# KiCad board reform2-keyboard.kicad_pcb
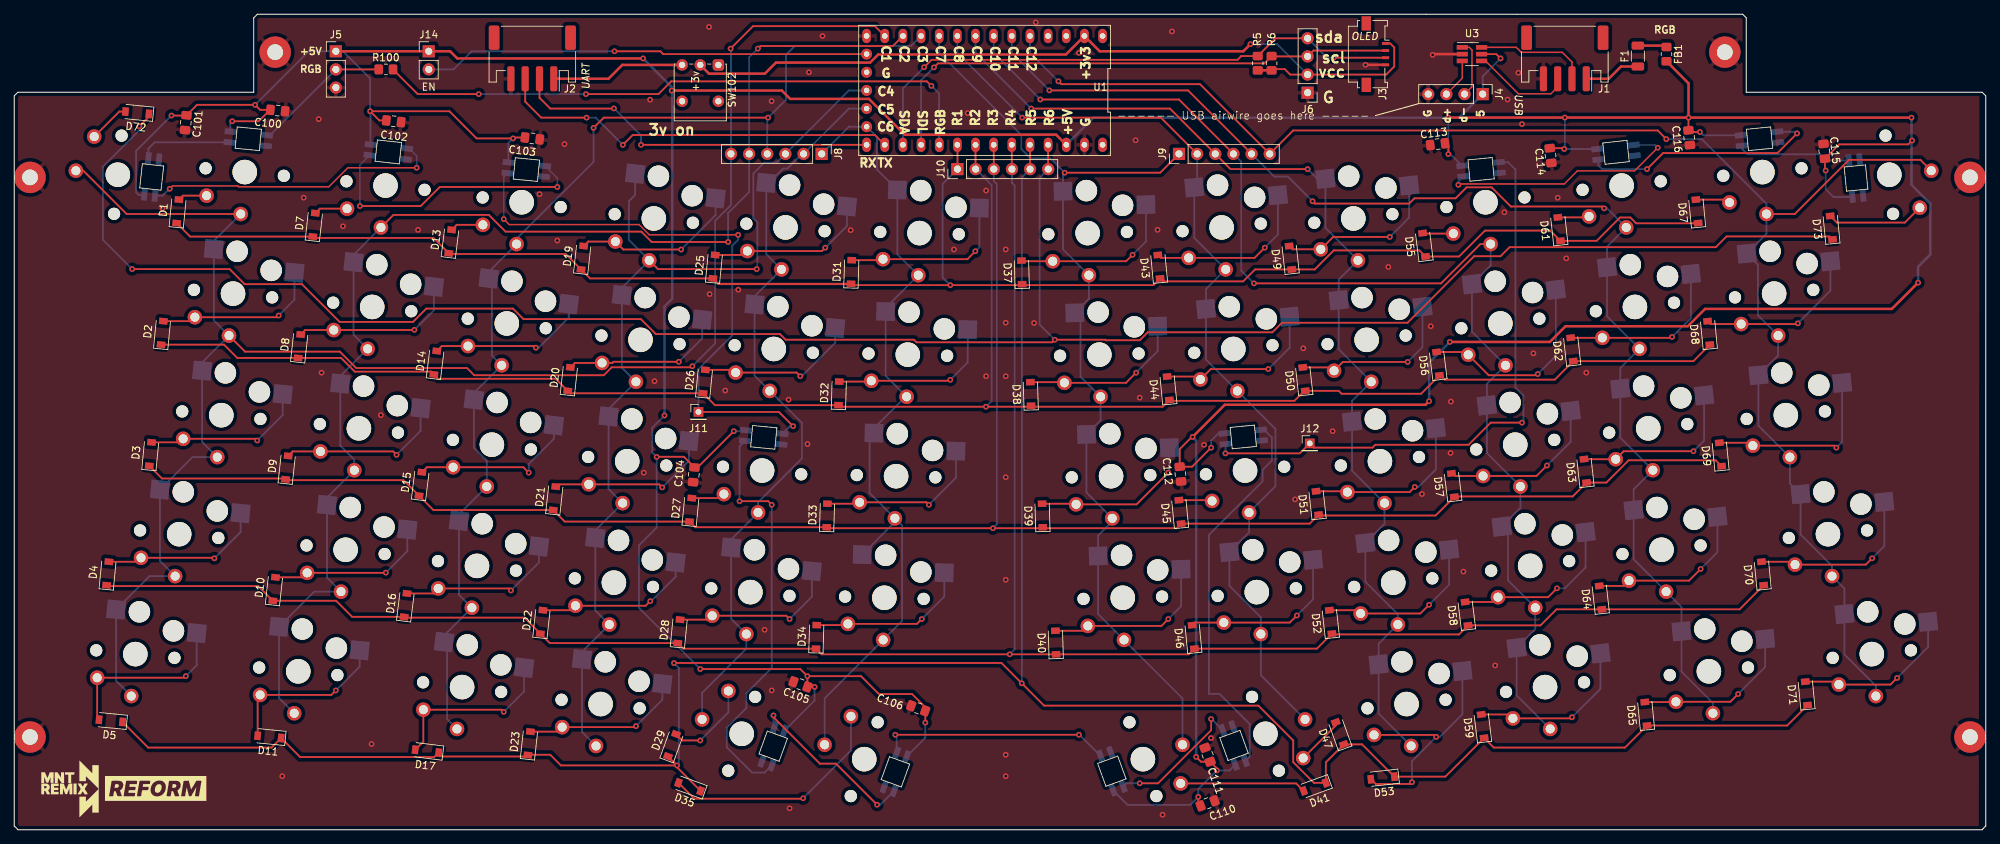
[diagram p0: board, top side]
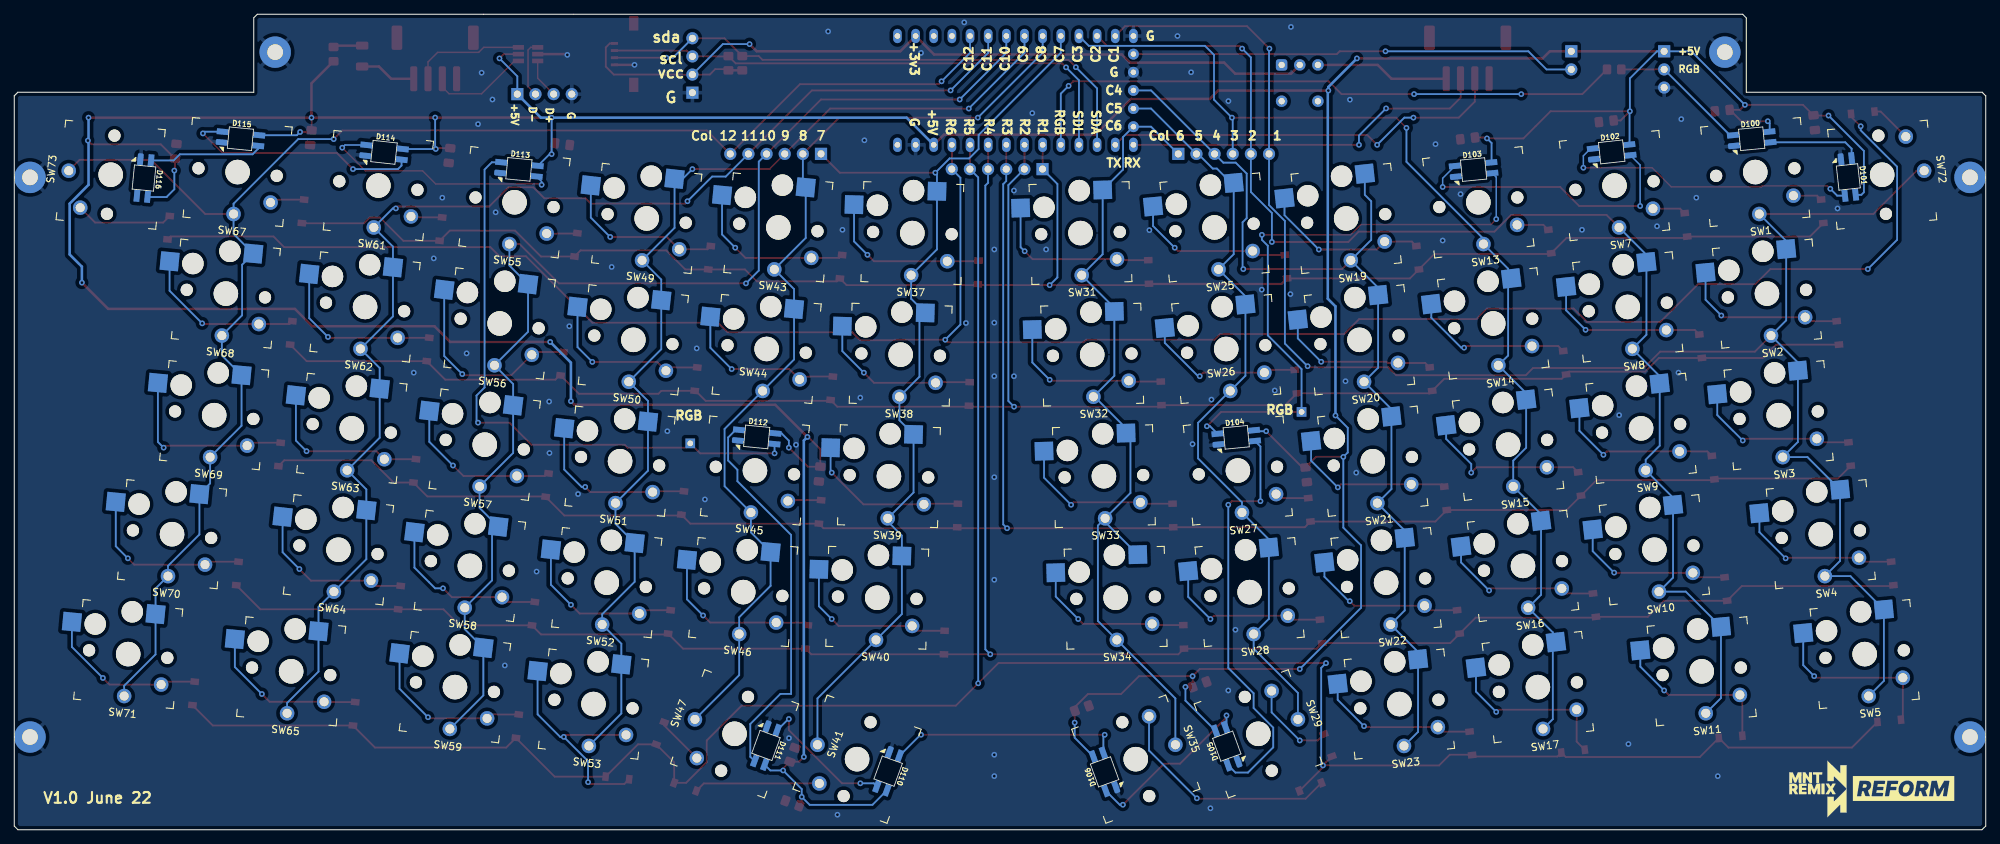
[diagram p1: board, bottom side, seen from below]

Outline 275.9 x 114.18 mm; copper layers: Top, Bottom. Coordinates in mm from the lower left corner of the outline.
Outline path: 0,102.76 0.5,103.26 33.5,103.26 33.5,113.66 34.01,114.18 241.89,114.18 242.39,113.68 242.39,103.26 275.4,103.26 275.9,102.76 275.9,0.52 275.39,0 0.52,0 0,0.51 0,102.76
Stack: Top 0.035mm / dielectric 1.51mm FR4 er 4.5 / Bottom 0.035mm

## Placement (name value [footprint] x y rotation side)
C100  1uF  [C_0805_2012Metric_Pad1.18x1.45mm_HandSolder]  36.87 100.7 354.5 top
C101  1uF  [C_0805_2012Metric_Pad1.18x1.45mm_HandSolder]  24 99 264.5 top
C102  1uF  [C_0805_2012Metric_Pad1.18x1.45mm_HandSolder]  53.1 99.2 353.8 top
C103  1uF  [C_0805_2012Metric_Pad1.18x1.45mm_HandSolder]  72.5 96.8 353 top
C104  1uF  [C_0805_2012Metric_Pad1.18x1.45mm_HandSolder]  95.1 49.7 264.5 top
C105  1uF  [C_0805_2012Metric_Pad1.18x1.45mm_HandSolder]  110.03 20.35 160 top
C106  1uF  [C_0805_2012Metric_Pad1.18x1.45mm_HandSolder]  126.5 17 160 top
C110  1uF  [C_0805_2012Metric_Pad1.18x1.45mm_HandSolder]  167 3.7 20 top
C111  1uF  [C_0805_2012Metric_Pad1.18x1.45mm_HandSolder]  167 10.5 110 top
C112  1uF  [C_0805_2012Metric_Pad1.18x1.45mm_HandSolder]  163.2 49.8 275.5 top
C113  1uF  [C_0805_2012Metric_Pad1.18x1.45mm_HandSolder]  199.2 96 187 top
C114  1uF  [C_0805_2012Metric_Pad1.18x1.45mm_HandSolder]  215 94.4 276.2 top
C115  1uF  [C_0805_2012Metric_Pad1.18x1.45mm_HandSolder]  253.3 95 95.5 top
C116  1uF  [C_0805_2012Metric_Pad1.18x1.45mm_HandSolder]  234.4 96.9 275.5 top
D1  MMDL914T1G  [D_SOD-123]  22.88 86.59 84.5 top
D2  MMDL914T1G  [D_SOD-123]  20.7 69.57 84.5 top
D3  MMDL914T1G  [D_SOD-123]  19.05 52.6 84.5 top
D4  MMDL914T1G  [D_SOD-123]  13.08 35.88 84.5 top
D5  MMDL914T1G  [D_SOD-123]  13.5 15.25 174.5 top
D7  MMDL914T1G  [D_SOD-123]  41.95 84.7 83.8 top
D8  MMDL914T1G  [D_SOD-123]  39.9 67.7 83.8 top
D9  MMDL914T1G  [D_SOD-123]  38.15 50.7 83.8 top
D10  MMDL914T1G  [D_SOD-123]  36.37 33.7 83.8 top
D11  MMDL914T1G  [D_SOD-123]  35.7 13 174.5 top
D13  MMDL914T1G  [D_SOD-123]  61.01 82.36 83 top
D14  MMDL914T1G  [D_SOD-123]  58.92 65.39 83 top
D15  MMDL914T1G  [D_SOD-123]  56.84 48.42 83 top
D16  MMDL914T1G  [D_SOD-123]  54.76 31.44 83 top
D17  MMDL914T1G  [D_SOD-123]  57.75 11 173 top
D19  MMDL914T1G  [D_SOD-123]  79.5 80.09 83.8 top
D20  MMDL914T1G  [D_SOD-123]  77.64 63.09 83.8 top
D21  MMDL914T1G  [D_SOD-123]  75.6 46.4 83.8 top
D22  MMDL914T1G  [D_SOD-123]  73.8 29.1 83.8 top
D23  MMDL914T1G  [D_SOD-123]  72.05 12.1 83.8 top
D25  MMDL914T1G  [D_SOD-123]  97.93 78.84 84.5 top
D26  MMDL914T1G  [D_SOD-123]  96.55 62.75 84.5 top
D27  MMDL914T1G  [D_SOD-123]  94.65 44.79 84.5 top
D28  MMDL914T1G  [D_SOD-123]  93.01 27.77 84.5 top
D29  MMDL914T1G  [D_SOD-123]  92.05 11.82 70 top
D31  MMDL914T1G  [D_SOD-123]  117.15 78.1 88.3 top
D32  MMDL914T1G  [D_SOD-123]  115.4 61.1 88.3 top
D33  MMDL914T1G  [D_SOD-123]  113.75 44 88.3 top
D34  MMDL914T1G  [D_SOD-123]  112.25 27 88.3 top
D35  MMDL914T1G  [D_SOD-123]  94.5 6 160 top
D37  MMDL914T1G  [D_SOD-123]  141 78.04 91.7 top
D38  MMDL914T1G  [D_SOD-123]  142.25 61.02 91.7 top
D39  MMDL914T1G  [D_SOD-123]  143.89 44 91.7 top
D40  MMDL914T1G  [D_SOD-123]  145.75 26.21 91.7 top
D41  MMDL914T1G  [D_SOD-123]  182 6 200 top
D43  MMDL914T1G  [D_SOD-123]  160.2 78.84 95.5 top
D44  MMDL914T1G  [D_SOD-123]  161.5 61.81 95.5 top
D45  MMDL914T1G  [D_SOD-123]  163.14 44.5 95.5 top
D46  MMDL914T1G  [D_SOD-123]  165 27 95.5 top
D47  MMDL914T1G  [D_SOD-123]  185.5 13.5 110 top
D49  MMDL914T1G  [D_SOD-123]  178.6 80.09 96.2 top
D50  MMDL914T1G  [D_SOD-123]  180.5 63.09 96.2 top
D51  MMDL914T1G  [D_SOD-123]  182.36 45.75 96.2 top
D52  MMDL914T1G  [D_SOD-123]  184.22 29.1 96.2 top
D53  MMDL914T1G  [D_SOD-123]  191.5 7.25 186.2 top
D55  MMDL914T1G  [D_SOD-123]  197.3 81.9 97 top
D56  MMDL914T1G  [D_SOD-123]  199.25 65.25 97 top
D57  MMDL914T1G  [D_SOD-123]  201.33 48.25 97 top
D58  MMDL914T1G  [D_SOD-123]  203.25 30.25 97 top
D59  MMDL914T1G  [D_SOD-123]  205.5 14.5 97 top
D61  MMDL914T1G  [D_SOD-123]  216.2 84.1 96.2 top
D62  MMDL914T1G  [D_SOD-123]  218 67.25 96.2 top
D63  MMDL914T1G  [D_SOD-123]  219.86 50.25 96.2 top
D64  MMDL914T1G  [D_SOD-123]  222 32.5 96.2 top
D65  MMDL914T1G  [D_SOD-123]  228.35 16.23 95.5 top
D67  MMDL914T1G  [D_SOD-123]  235.5 86.59 95.5 top
D68  MMDL914T1G  [D_SOD-123]  237.14 69.57 95.5 top
D69  MMDL914T1G  [D_SOD-123]  238.78 52.55 95.5 top
D70  MMDL914T1G  [D_SOD-123]  244.68 35.88 95.5 top
D71  MMDL914T1G  [D_SOD-123]  250.81 19.09 95.5 top
D72  MMDL914T1G  [D_SOD-123]  17.2 100.4 174.5 top
D73  MMDL914T1G  [D_SOD-123]  254.3 84.3 95.5 top
D100  WS2812B  [SK6812-MINI-E#2]  32.75 96.75 354.5 bottom
D101  WS2812B  [SK6812-MINI-E#3]  19.23 91.4 83.8 bottom
D102  WS2812B  [SK6812-MINI-E#3]  52.35 94.91 353.8 bottom
D103  WS2812B  [SK6812-MINI-E#2]  71.67 92.44 354.5 bottom
D104  WS2812B  [SK6812-MINI-E#2]  104.89 54.94 354.5 bottom
D105  WS2812B  [SK6812-MINI-E#2]  106.21 11.7 250 bottom
D106  WS2812B  [SK6812-MINI-E#2]  123.31 8.1 250 bottom
D110  WS2812B  [SK6812-MINI-E#2]  153.6 8.2 110 bottom
D111  WS2812B  [SK6812-MINI-E#2]  170.7 11.8 110 bottom
D112  WS2812B  [SK6812-MINI-E#2]  172 55 5.5 bottom
D113  WS2812B  [SK6812-MINI-E#2]  205.28 92.47 5.5 bottom
D114  WS2812B  [SK6812-MINI-E]  224.16 94.85 6.2 bottom
D115  WS2812B  [SK6812-MINI-E#2]  244.25 96.75 5.5 bottom
D116  WS2812B  [SK6812-MINI-E#2]  257.75 91.25 95.5 bottom
F1  0ZCJ0075AF2E  [R_1206_3216Metric]  227.22 108.33 90 top
FB1  FerriteBead  [R_0805_2012Metric_Pad1.20x1.40mm_HandSolder]  231.22 108.6 270 top
GFX1  MNT  [mnt-remix-reform]  15.32 5.73 0 top
GFX2  MNT  [mnt-remix-reform]  15.95 5.73 180 bottom
H1  MH1  [MountingHole_2.2mm_M2_Pad]  2.2 91.34 0 top
H2  MH2  [MountingHole_2.2mm_M2_Pad]  273.7 91.34 0 top
H3  MH3  [MountingHole_2.2mm_M2_Pad]  2.2 12.98 0 top
H4  MH4  [MountingHole_2.2mm_M2_Pad]  273.7 12.98 0 top
H5  MH5  [MountingHole_2.2mm_M2_Pad]  36.51 108.88 0 top
H6  MH6  [MountingHole_2.2mm_M2_Pad]  239.39 108.88 0 top
J1  USB  [JST_PH_S4B-PH-SM4-TB_1x04-1MP_P2.00mm_Horizontal]  217 108 180 top
J2  UART  [JST_PH_S4B-PH-SM4-TB_1x04-1MP_P2.00mm_Horizontal]  72.5 108 180 top
J3  AUX  [Molex_200528-0040_1x04-1MP_P1.00mm_Horizontal]  191 108.6 270 top
J4  MCU Airwire USB  [PinHeader_1x04_P2.54mm_Vertical]  205.5 103 270 top
J5  Conn_01x03  [PinHeader_1x03_P2.54mm_Vertical]  45 109 0 top
J6  AUX  [PinHeader_1x04_P2.54mm_Vertical]  181 103.2 180 top
J8  Conn_01x06  [PinHeader_1x06_P2.54mm_Vertical]  113 94.63 270 top
J9  Conn_01x06  [PinHeader_1x06_P2.54mm_Vertical]  163 94.63 90 top
J10  Conn_01x06  [PinHeader_1x06_P2.54mm_Vertical]  132 92.5 90 top
J11  Conn_01x01  [PinHeader_1x01_P2.00mm_Vertical]  95.75 58.5 0 top
J12  Conn_01x01  [PinHeader_1x01_P2.00mm_Vertical]  181.3 54.1 0 top
J14  Conn_01x02  [PinHeader_1x02_P2.54mm_Vertical]  58 109 0 top
R5  4.7k  [R_0805_2012Metric_Pad1.20x1.40mm_HandSolder]  174.02 107.33 90 top
R6  4.7k  [R_0805_2012Metric_Pad1.20x1.40mm_HandSolder]  175.96 107.33 90 top
R100  4.7k  [R_0805_2012Metric_Pad1.20x1.40mm_HandSolder]  52 106.46 0 top
SW1  Choc  [PG1350]  32.25 92.09 354.5 top
SW2  Choc  [PG1350_optional-socket]  30.61 75.07 354.5 top
SW3  Choc  [PG1350_optional-socket]  28.97 58.05 354.5 top
SW4  Choc  [PG1350_optional-socket]  23.08 41.38 354.5 top
SW5  Choc  [PG1350_optional-socket]  16.94 24.59 354.5 top
SW7  Choc  [PG1350]  51.95 90.2 353.8 top
SW8  Choc  [PG1350_optional-socket]  50.09 73.2 353.8 top
SW9  Choc  [PG1350_optional-socket]  48.23 56.2 353.8 top
SW10  Choc  [PG1350_optional-socket]  46.37 39.2 353.8 top
SW11  Choc  [PG1350_optional-socket]  39.74 22.18 354.5 top
SW13  Choc  [PG1350]  71.01 87.86 353 top
SW14  Choc  [PG1350_optional-socket]  68.92 70.89 353 top
SW15  Choc  [PG1350_optional-socket]  66.84 53.92 353 top
SW16  Choc  [PG1350_optional-socket]  64.76 36.94 353 top
SW17  Choc  [PG1350_optional-socket]  62.67 19.97 353 top
SW19  Choc  [PG1350_optional-socket]  89.5 85.59 353.8 top
SW20  Choc  [PG1350_optional-socket]  87.64 68.59 353.8 top
SW21  Choc  [PG1350_optional-socket]  85.78 51.59 353.8 top
SW22  Choc  [PG1350_optional-socket]  83.92 34.6 353.8 top
SW23  Choc  [PG1350_optional-socket]  82.05 17.6 353.8 top
SW25  Choc  [PG1350_optional-socket]  107.93 84.34 354.5 top
SW26  Choc  [PG1350_optional-socket]  106.29 67.31 354.5 top
SW27  Choc  [PG1350]  104.65 50.29 354.5 top
SW28  Choc  [PG1350_optional-socket]  103.02 33.27 354.5 top
SW29  Choc  [PG1350]  101.8 13.43 250 top
SW31  Choc  [PG1350_optional-socket]  126.69 83.54 358.4 top
SW32  Choc  [PG1350_optional-socket]  125.05 66.52 358.4 top
SW33  Choc  [PG1350_optional-socket]  123.41 49.5 358.4 top
SW34  Choc  [PG1350_optional-socket]  121.77 32.48 358.4 top
SW35  Choc  [PG1350]  118.95 9.88 250 top
SW37  Choc  [PG1350_optional-socket]  150.21 83.54 1.6 top
SW38  Choc  [PG1350_optional-socket]  151.85 66.52 1.6 top
SW39  Choc  [PG1350_optional-socket]  153.49 49.5 1.6 top
SW40  Choc  [PG1350_optional-socket]  155.13 32.48 1.6 top
SW41  Choc  [PG1350]  157.95 9.88 110 top
SW43  Choc  [PG1350_optional-socket]  168.97 84.34 5.5 top
SW44  Choc  [PG1350_optional-socket]  170.61 67.31 5.5 top
SW45  Choc  [PG1350]  172.25 50.29 5.5 top
SW46  Choc  [PG1350_optional-socket]  173.88 33.27 5.5 top
SW47  Choc  [PG1350]  175.1 13.43 110 top
SW49  Choc  [PG1350_optional-socket]  187.4 85.59 6.2 top
SW50  Choc  [PG1350_optional-socket]  189.26 68.59 6.2 top
SW51  Choc  [PG1350_optional-socket]  191.12 51.59 6.2 top
SW52  Choc  [PG1350_optional-socket]  192.98 34.6 6.2 top
SW53  Choc  [PG1350_optional-socket]  194.84 17.6 6.2 top
SW55  Choc  [PG1350]  205.89 87.86 7 top
SW56  Choc  [PG1350_optional-socket]  207.98 70.89 7 top
SW57  Choc  [PG1350_optional-socket]  210.06 53.92 7 top
SW58  Choc  [PG1350_optional-socket]  212.14 36.94 7 top
SW59  Choc  [PG1350_optional-socket]  214.23 19.97 7 top
SW61  Choc  [PG1350]  224.95 90.2 6.2 top
SW62  Choc  [PG1350_optional-socket]  226.81 73.2 6.2 top
SW63  Choc  [PG1350_optional-socket]  228.67 56.2 6.2 top
SW64  Choc  [PG1350_optional-socket]  230.53 39.2 6.2 top
SW65  Choc  [PG1350_optional-socket]  237.16 22.18 5.5 top
SW67  Choc  [PG1350]  244.65 92.09 5.5 top
SW68  Choc  [PG1350_optional-socket]  246.29 75.07 5.5 top
SW69  Choc  [PG1350_optional-socket]  247.93 58.05 5.5 top
SW70  Choc  [PG1350_optional-socket]  253.82 41.38 5.5 top
SW71  Choc  [PG1350_optional-socket]  259.96 24.59 5.5 top
SW72  Choc  [PG1350]  14.49 91.71 264.5 top
SW73  Choc  [PG1350]  262.41 91.71 95.5 top
SW102  SW_SPDT  [SW_Push_1P2T_Vertical_E-Switch_800UDP8P1A1M6]  98.54 107.09 270 top
U1  itsy-32u4-3v3  [ItsyBitsy-32u4]  135.79 103.52 180 top
U3  ~  [SOT-23-6_Handsoldering]  204 108.6 0 top

## Library data of the parts
C100-C106 C110-C116 = -: Manufacturer: Taiyo Yuden; Manufacturer_No: JMK107BB7475KA-T
D1-D5 D7-D11 D13-D17 D19-D23 D25-D29 D31-D35 D37-D41 D43-D47 D49-D53 D55-D59 D61-D65 D67-D73 = -: Manufacturer: ON
F1 = -: Alt Manuf: Bel Fuse; LCSC: C70082; Manufacturer: TECHFUSE; Manufacturer_No: nSMD100-16V
J1 J2 = -: Manufacturer: JST; Manufacturer_No: S4B-PH-SM4-TB(LF)(SN)
J3 J6 = -: Manufacturer: Molex; Manufacturer_No: 200528-0040
J4 = -: Manufacturer_No: IDC 2.54 header 1x04
R5 R6 = -: Manufacturer: Yageo; Manufacturer_No: RC0603FR-074K7L
R100 = -: Manufacturer: Vishay Dale; Manufacturer_No: CRCW06030000Z0EAC
SW1-SW5 SW7-SW11 SW13-SW17 SW19-SW23 SW25-SW29 SW31-SW35 SW37-SW41 SW43-SW47 SW49-SW53 SW55-SW59 SW61-SW65 SW67-SW73 = -: Manufacturer: Kailh; Manufacturer_No: CPG135001D02
U3 = -: Alt MPN: USBLC6-2SC6; Alt Manuf: STMicroelectronics; LCSC: C2687116; Manufacturer: UMW; Manufacturer_No: USBLC6-2SC6

## Footprints (pads in the part's own frame, mm; a bottom-side part is the same pattern mirrored in y, then rotated)
C_0805_2012Metric_Pad1.18x1.45mm_HandSolder
  rrect 1.175x1.45 smd: 1(-1.038,0) 2(1.038,0)
D_SOD-123
  rect 0.9x1.2 smd: 1(-1.65,0) 2(1.65,0)
ItsyBitsy-32u4
  oval 1.2x2 hole 0.8: 1(-16.51,-7.62) 2(-13.97,-7.62) 3(-11.43,-7.62) 4(-8.89,-7.62) 5(-6.35,-7.62) 6(-3.81,-7.62) 7(-1.27,-7.62) 8(1.27,-7.62) 9(3.81,-7.62) 10(6.35,-7.62) 11(8.89,-7.62) 12(11.43,-7.62) 13(13.97,-7.62) 14(16.51,-7.62) 20(16.51,7.62) 21(13.97,7.62) 22(11.43,7.62) 23(8.89,7.62) 24(6.35,7.62) 25(3.81,7.62) 26(1.27,7.62) 27(-1.27,7.62) 28(-3.81,7.62) 29(-6.35,7.62) 30(-8.89,7.62) 31(-11.43,7.62) 32(-13.97,7.62) 33(-16.51,7.62)
  round 1.524 hole 0.762: 15(16.51,-5.08) 16(16.51,-2.54) 17(16.51,0) 18(16.51,2.54) 19(16.51,5.08)
JST_PH_S4B-PH-SM4-TB_1x04-1MP_P2.00mm_Horizontal
  rrect 1x3.5 smd: 1(-3,2.85) 2(-1,2.85) 3(1,2.85) 4(3,2.85)
  rrect 1.5x3.4 smd: MP(-5.35,-2.9) MP(5.35,-2.9)
Molex_200528-0040_1x04-1MP_P1.00mm_Horizontal
  rect 0.4x1 smd: 1(-1.5,0.91) 2(-0.5,0.91) 3(0.5,0.91) 4(1.5,0.91)
  rect 2x1.3 smd: MP(-4.3,-1.79) MP(4.3,-1.79)
MountingHole_2.2mm_M2_Pad
  round 4.4 hole 2.2: 1(0,0)
PG1350
  round 1.702 hole 1.702 unplated: (-5.5,0) (5.5,0)
  round 3.429 hole 3.429 unplated: (0,0)
  round 2.032 hole 1.27: 1(0,-5.9) 2(-5,-3.8)
PG1350_optional-socket
  round 1.702 hole 1.702 unplated: (-5.5,0) (5.5,0)
  round 3 hole 3 unplated: (0,5.95) (5,3.75)
  round 3.429 hole 3.429 unplated: (0,0)
  rect 2.6x2.6 smd far side: 1(-3.275,5.95) 2(8.275,3.75)
  round 2.032 hole 1.27: 1(0,-5.9) 2(-5,-3.8)
PinHeader_1x01_P2.00mm_Vertical
  rect 1.35x1.35 hole 0.8: 1(0,0)
PinHeader_1x02_P2.54mm_Vertical
  rect 1.7x1.7 hole 1: 1(0,0)
  oval 1.7x1.7 hole 1: 2(0,-2.54)
PinHeader_1x03_P2.54mm_Vertical
  rect 1.7x1.7 hole 1: 1(0,0)
  oval 1.7x1.7 hole 1: 2(0,-2.54) 3(0,-5.08)
PinHeader_1x04_P2.54mm_Vertical
  rect 1.7x1.7 hole 1: 1(0,0)
  oval 1.7x1.7 hole 1: 2(0,-2.54) 3(0,-5.08) 4(0,-7.62)
PinHeader_1x06_P2.54mm_Vertical
  rect 1.7x1.7 hole 1: 1(0,0)
  oval 1.7x1.7 hole 1: 2(0,-2.54) 3(0,-5.08) 4(0,-7.62) 5(0,-10.16) 6(0,-12.7)
R_0805_2012Metric_Pad1.20x1.40mm_HandSolder
  rrect 1.2x1.4 smd: 1(-1,0) 2(1,0)
R_1206_3216Metric
  rrect 1.125x1.75 smd: 1(-1.462,0) 2(1.462,0)
SK6812-MINI-E
  rect 1.7x0.82 smd: 1(-2.55,-0.75) 2(-2.55,0.75) 4(2.55,-0.75)
  rrect 1.7x0.82 smd: 3(2.55,0.75)
SK6812-MINI-E#2
  rect 1.7x0.82 smd: 1(-2.55,-0.75) 2(-2.55,0.75) 4(2.55,-0.75)
  rrect 1.7x0.82 smd: 3(2.55,0.75)
SK6812-MINI-E#3
  rect 1.7x0.82 smd: 1(-2.55,-0.75) 2(-2.55,0.75) 4(2.55,-0.75)
  rrect 1.7x0.82 smd: 3(2.55,0.75)
SOT-23-6_Handsoldering
  rect 1.56x0.65 smd: 1(-1.35,0.95) 2(-1.35,0) 3(-1.35,-0.95) 4(1.35,-0.95) 5(1.35,0) 6(1.35,0.95)
SW_Push_1P2T_Vertical_E-Switch_800UDP8P1A1M6
  round 1.6 hole 0.89: (5.08,0) (5.08,-5.08) 2(0,-2.54) 3(0,-5.08)
  rrect 1.6x1.6 hole 0.89: 1(0,0)

## Nets
+3V3: J3.1 J6.2 R5.1 R6.1 SW102.2 U1.2
+5V: C100.1 C101.1 C102.1 C103.1 C104.1 C105.1 C106.1 C110.1 C111.1 C112.1 C113.1 C114.1 C115.1 C116.1 D100.1 D101.1 D102.1 D103.1 D104.1 D105.1 D106.1 D110.1 D111.1 D112.1 D113.1 D114.1 D115.1 D116.1 FB1.2 J4.1 J5.1 J14.1 U1.31 U3.5
GND: C100.2 C101.2 C102.2 C103.2 C104.2 C105.2 C106.2 C110.2 C111.2 C112.2 C113.2 C114.2 C115.2 C116.2 D100.3 D101.3 D102.3 D103.3 D104.3 D105.3 D106.3 D110.3 D111.3 D112.3 D113.3 D114.3 D115.3 D116.3 H1.1 H2.1 H3.1 H4.1 H5.1 H6.1 J1.4 J2.4 J3.4 J4.4 J5.3 J6.1 U1.14 U1.16 U1.32 U3.2
COL1: J8.6 SW1.1 SW2.1 SW3.1 SW4.1 SW5.1 SW72.1 U1.13
COL2: J8.5 SW7.1 SW8.1 SW9.1 SW10.1 SW11.1 U1.12
COL3: J8.4 SW13.1 SW14.1 SW15.1 SW16.1 SW17.1 U1.11
COL4: J8.3 SW19.1 SW20.1 SW21.1 SW22.1 SW23.1 U1.17
COL5: J8.2 SW25.1 SW26.1 SW27.1 SW28.1 SW29.1 U1.18
COL6: J8.1 SW31.1 SW32.1 SW33.1 SW34.1 SW35.1 U1.19
COL7: J9.1 SW37.1 SW38.1 SW39.1 SW40.1 SW41.1 U1.10
COL8: J9.2 SW43.1 SW44.1 SW45.1 SW46.1 SW47.1 U1.9
COL9: J9.3 SW49.1 SW50.1 SW51.1 SW52.1 SW53.1 U1.8
COL10: J9.4 SW55.1 SW56.1 SW57.1 SW58.1 SW59.1 U1.7
COL11: J9.5 SW61.1 SW62.1 SW63.1 SW64.1 SW65.1 U1.6
COL12: J9.6 SW67.1 SW68.1 SW69.1 SW70.1 SW71.1 SW73.1 U1.5
D+: J4.3 U3.3
D-: J4.2 U3.1
DISP_SCL: J3.2 J6.3 R6.2 U1.23
DISP_SDA: J3.3 J6.4 R5.2 U1.22
EN: J14.2 U1.15
HD+: J1.3 U3.4
HD-: J1.2 U3.6
POWERIN: F1.1 J1.1
RGB: R100.2 U1.24
RGBI: D100.4 J5.2 R100.1
RGBO1: D106.2 D110.4
ROW1: D1.1 D7.1 D13.1 D19.1 D25.1 D31.1 D37.1 D43.1 D49.1 D55.1 D61.1 D67.1 J10.1 U1.25
ROW2: D2.1 D8.1 D14.1 D20.1 D26.1 D32.1 D38.1 D44.1 D50.1 D56.1 D62.1 D68.1 J10.2 U1.26
ROW3: D3.1 D9.1 D15.1 D21.1 D27.1 D33.1 D39.1 D45.1 D51.1 D57.1 D63.1 D69.1 J10.3 U1.27
ROW4: D4.1 D10.1 D16.1 D22.1 D28.1 D34.1 D40.1 D46.1 D52.1 D58.1 D64.1 D70.1 J10.4 U1.28
ROW5: D5.1 D11.1 D17.1 D23.1 D29.1 D35.1 D41.1 D47.1 D53.1 D59.1 D65.1 D71.1 J10.5 U1.29
ROW6: D72.1 D73.1 J10.6 U1.30
UART_RX: J2.2 U1.20
UART_TX: J2.3 U1.21
Net-(D1-Pad2): D1.2 SW1.2
Net-(D2-Pad2): D2.2 SW2.2
Net-(D3-Pad2): D3.2 SW3.2
Net-(D4-Pad2): D4.2 SW4.2
Net-(D5-Pad2): D5.2 SW5.2
Net-(D7-Pad2): D7.2 SW7.2
Net-(D8-Pad2): D8.2 SW8.2
Net-(D9-Pad2): D9.2 SW9.2
Net-(D10-Pad2): D10.2 SW10.2
Net-(D11-Pad2): D11.2 SW11.2
Net-(D13-Pad2): D13.2 SW13.2
Net-(D14-Pad2): D14.2 SW14.2
Net-(D15-Pad2): D15.2 SW15.2
Net-(D16-Pad2): D16.2 SW16.2
Net-(D17-Pad2): D17.2 SW17.2
Net-(D19-Pad2): D19.2 SW19.2
Net-(D20-Pad2): D20.2 SW20.2
Net-(D21-Pad2): D21.2 SW21.2
Net-(D22-Pad2): D22.2 SW22.2
Net-(D23-Pad2): D23.2 SW23.2
Net-(D25-Pad2): D25.2 SW25.2
Net-(D26-Pad2): D26.2 SW26.2
Net-(D27-Pad2): D27.2 SW27.2
Net-(D28-Pad2): D28.2 SW28.2
Net-(D29-Pad2): D29.2 SW29.2
Net-(D31-Pad2): D31.2 SW31.2
Net-(D32-Pad2): D32.2 SW32.2
Net-(D33-Pad2): D33.2 SW33.2
Net-(D34-Pad2): D34.2 SW34.2
Net-(D35-Pad2): D35.2 SW35.2
Net-(D37-Pad2): D37.2 SW37.2
Net-(D38-Pad2): D38.2 SW38.2
Net-(D39-Pad2): D39.2 SW39.2
Net-(D40-Pad2): D40.2 SW40.2
Net-(D41-Pad2): D41.2 SW41.2
Net-(D43-Pad2): D43.2 SW43.2
Net-(D44-Pad2): D44.2 SW44.2
Net-(D45-Pad2): D45.2 SW45.2
Net-(D46-Pad2): D46.2 SW46.2
Net-(D47-Pad2): D47.2 SW47.2
Net-(D49-Pad2): D49.2 SW49.2
Net-(D50-Pad2): D50.2 SW50.2
Net-(D51-Pad2): D51.2 SW51.2
Net-(D52-Pad2): D52.2 SW52.2
Net-(D53-Pad2): D53.2 SW53.2
Net-(D55-Pad2): D55.2 SW55.2
Net-(D56-Pad2): D56.2 SW56.2
Net-(D57-Pad2): D57.2 SW57.2
Net-(D58-Pad2): D58.2 SW58.2
Net-(D59-Pad2): D59.2 SW59.2
Net-(D61-Pad2): D61.2 SW61.2
Net-(D62-Pad2): D62.2 SW62.2
Net-(D63-Pad2): D63.2 SW63.2
Net-(D64-Pad2): D64.2 SW64.2
Net-(D65-Pad2): D65.2 SW65.2
Net-(D67-Pad2): D67.2 SW67.2
Net-(D68-Pad2): D68.2 SW68.2
Net-(D69-Pad2): D69.2 SW69.2
Net-(D70-Pad2): D70.2 SW70.2
Net-(D71-Pad2): D71.2 SW71.2
Net-(D72-Pad2): D72.2 SW72.2
Net-(D73-Pad2): D73.2 SW73.2
Net-(D100-Pad2): D100.2 D101.4
Net-(D101-Pad2): D101.2 D102.4
Net-(D102-Pad2): D102.2 D103.4
Net-(D103-Pad2): D103.2 D104.4 J11.1
Net-(D104-Pad2): D104.2 D105.4
Net-(D105-Pad2): D105.2 D106.4
Net-(D110-Pad2): D110.2 D111.4
Net-(D111-Pad2): D111.2 D112.4
Net-(D112-Pad2): D112.2 D113.4 J12.1